# Altium PCB TsinghuaDoor_top.PcbDoc
Units mil, origin at the board's own origin, x right, y up, seen from the top; angles counter-clockwise.
Board outline 7993.02 x 6243.36 mil, 2 copper layers (Top Layer, Bottom Layer); 34 components, 28 nets, 117 pads, 33 vias.
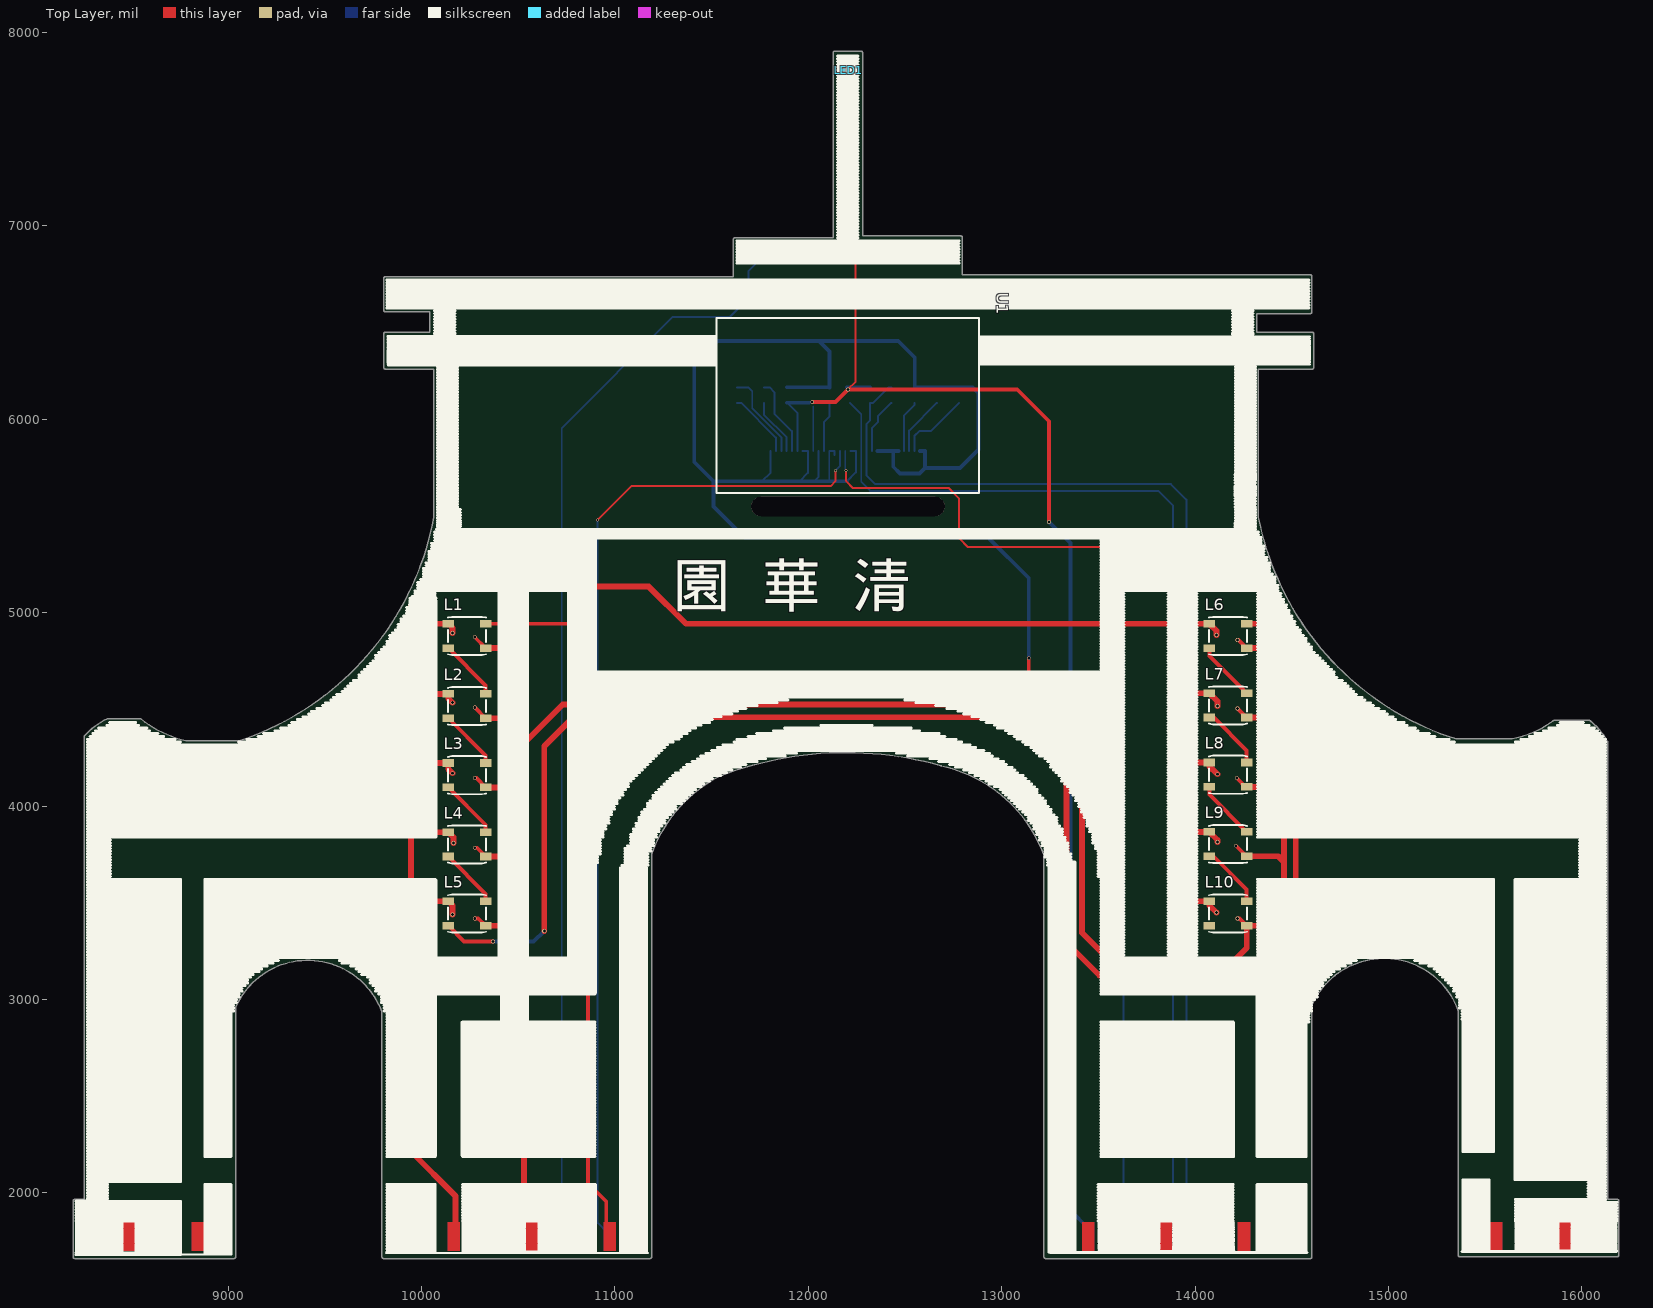
[diagram p0: Top Layer view]
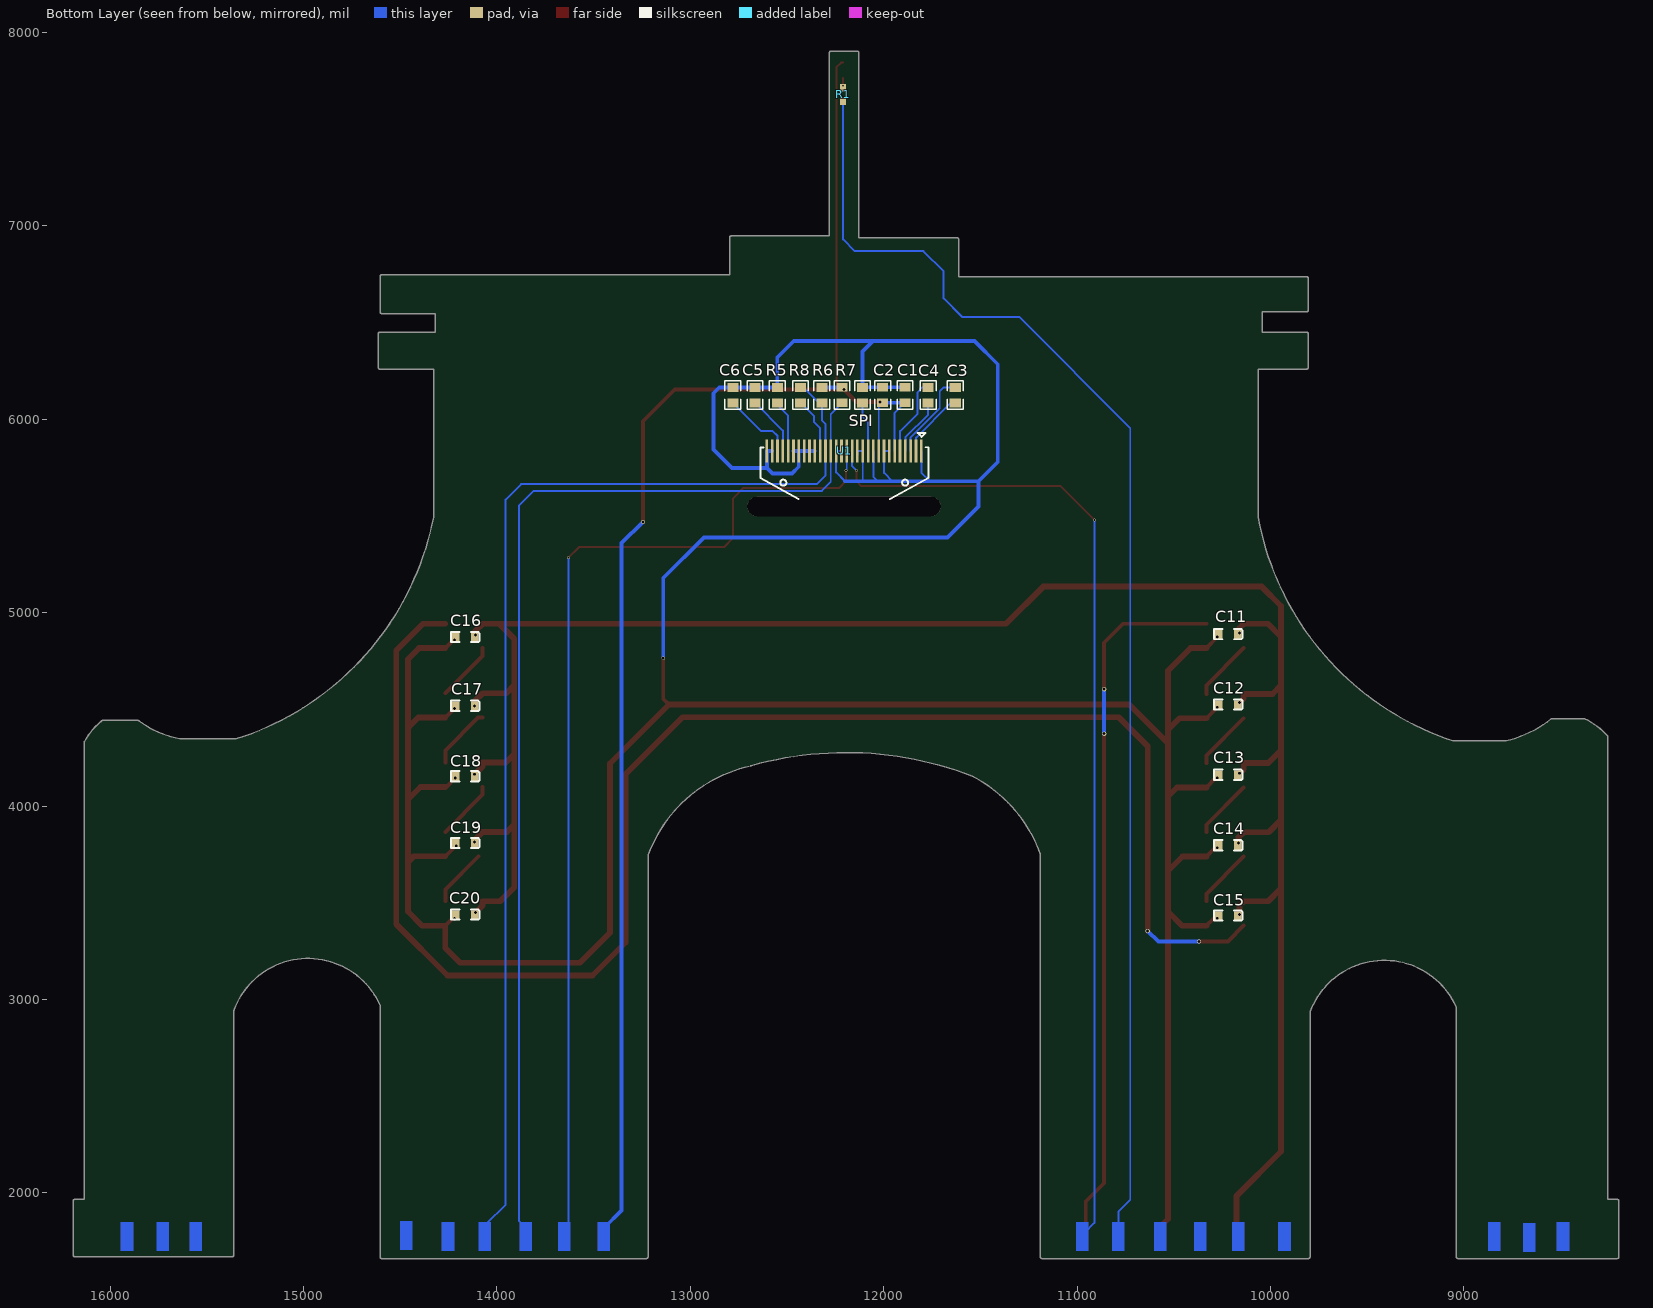
[diagram p1: Bottom Layer view, seen from below]
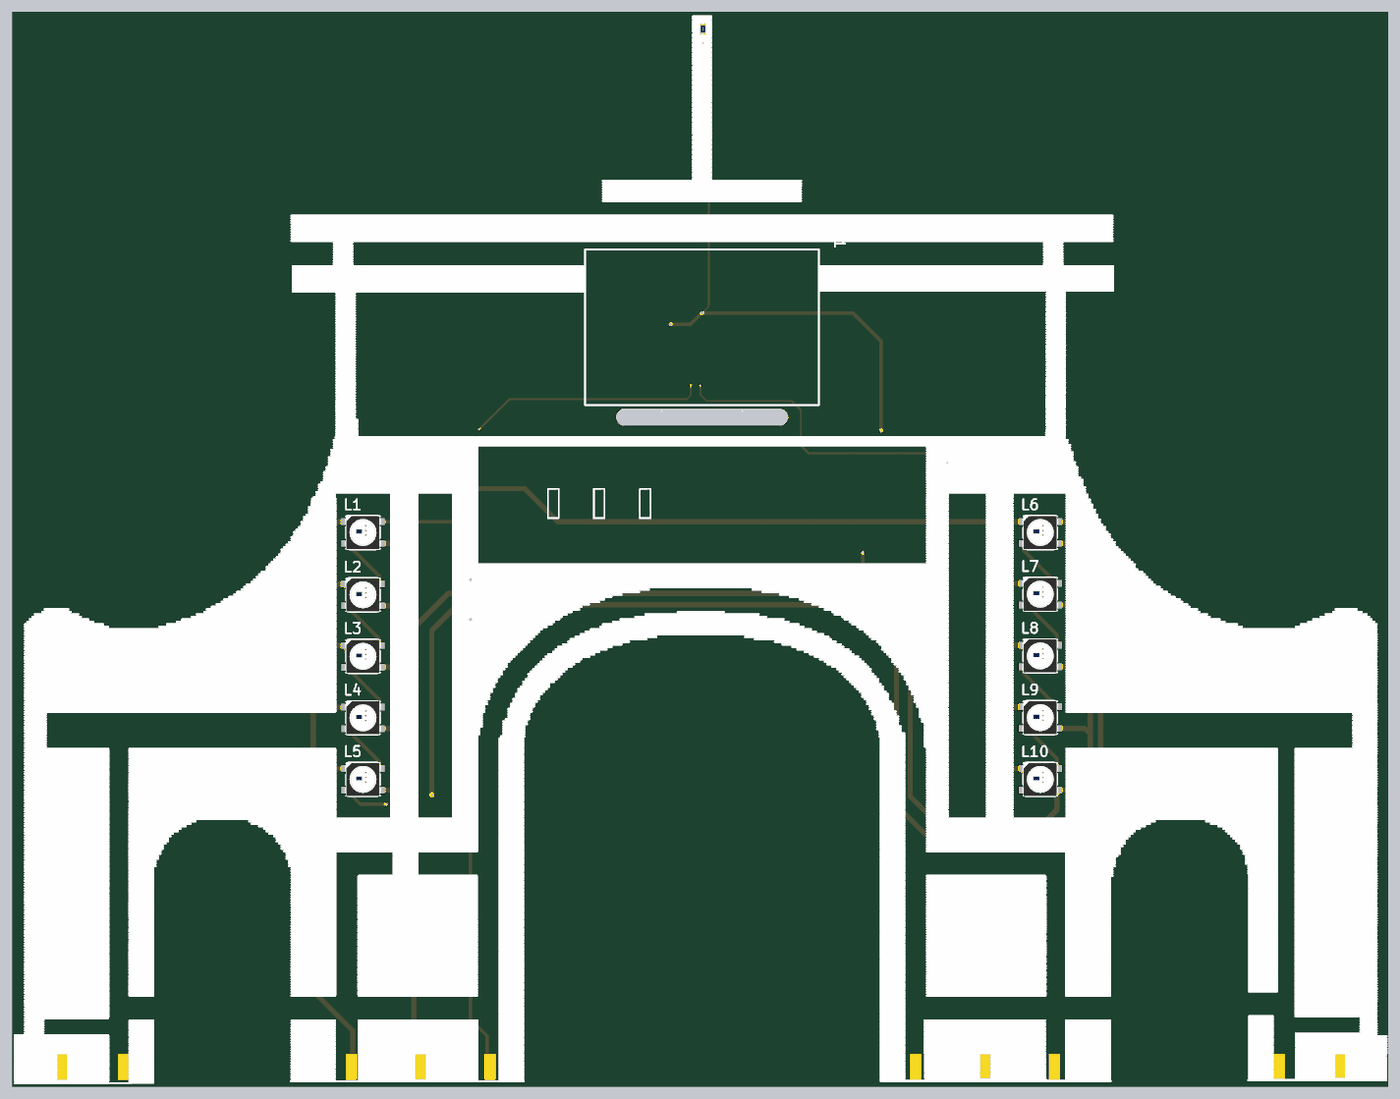
[diagram p2: 3D render of the assembled board from above, using the file's embedded part models]
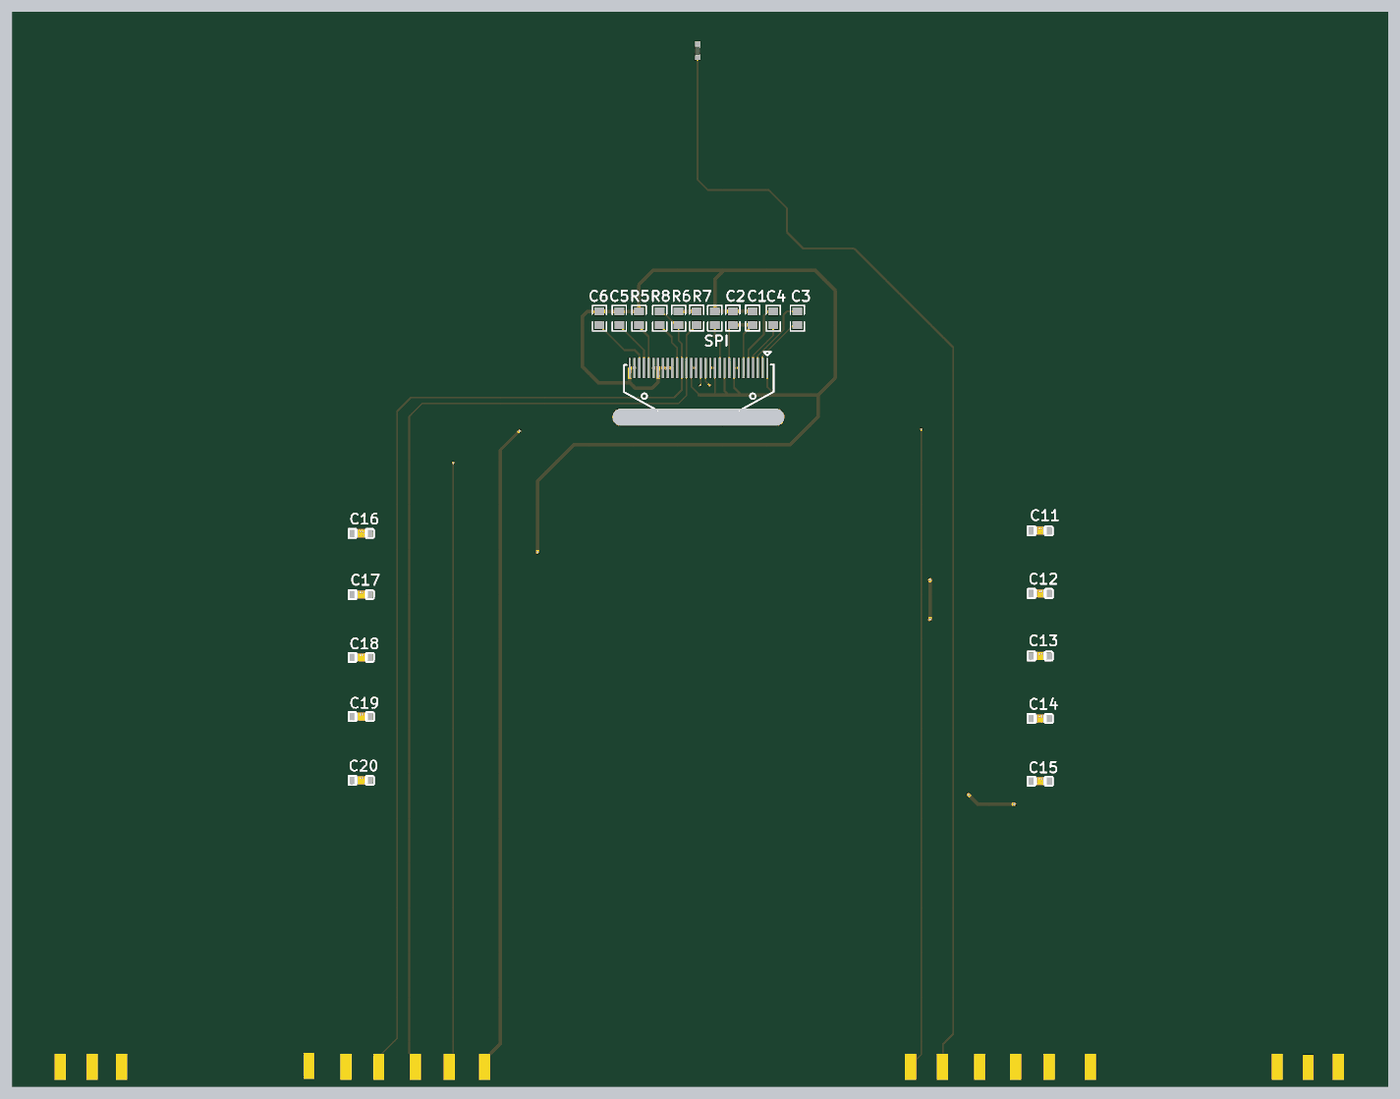
[diagram p3: 3D render of the assembled board from below, using the file's embedded part models]

## Layer stack, top to bottom
Top Layer: signal copper 1.4
Dielectric: dielectric 12.6, FR-4, Dk 4.8
Bottom Layer: signal copper 1.4

## Board outline
8198.29,1670.47 ccw(c8207.87,1670.47) 8207.87,1660.9 9030.11,1660.9 ccw(c9030.11,1670.47) 9039.69,1670.47 9039.69,2961.21 ccw(c9030.11,2961.21) 9039.68,2961.7 cw(c9411.99,2795.24) 9793.98,2938.13 ccw(c9802.95,2941.48) 9794.98,2936.18 9794.98,1670.47 ccw(c9804.55,1670.47) 9804.55,1660.9 11181.34,1660.9 ccw(c11181.34,1670.47) 11190.91,1670.47 11190.91,3753.11 cw(c11879.29,3506.18) 11540.81,4154.46 cw(c12194.8,2473.59) 12684.73,4209.39 ccw(c12690.59,4216.96) 12688.54,4207.61 cw(c12531.97,3493.24) 13217.27,3748.56 ccw(c13226.25,3751.91) 13217.81,3747.37 13217.81,1670.47 ccw(c13227.39,1670.47) 13227.39,1660.9 14594.61,1660.9 ccw(c14594.61,1670.47) 14604.19,1670.47 14604.19,2970.77 ccw(c14594.61,2970.77) 14604.17,2971.26 cw(c14976.49,2804.8) 15358.48,2947.69 ccw(c15367.45,2951.04) 15359.48,2945.74 15359.48,1680.03 ccw(c15369.05,1680.03) 15369.05,1670.46 16181.74,1670.46 ccw(c16181.74,1680.03) 16191.31,1680.03 16191.31,1957.3 ccw(c16181.74,1957.3) 16181.74,1966.88 16133.95,1966.88 16133.95,4328.43 ccw(c16124.37,4328.43) 16131.91,4334.33 ccw(c15808.86,4156.33) 16048.9,4436.38 ccw(c16042.67,4429.11) 16047,4437.65 ccw(c16038.32,4433.6) 16038.32,4443.17 15856.71,4443.17 ccw(c15856.66,4433.6) 15850.92,4441.26 cw(c15541.62,4853.66) 15639.64,4347.56 15349.6,4347.56 ccw(c15349.6,4337.99) 15348.15,4347.45 cw(c15804.21,5781.39) 14327.19,5493.99 14327.19,6259.73 14604.17,6259.73 ccw(c14604.17,6269.31) 14613.75,6269.31 14613.75,6441.41 ccw(c14604.17,6441.41) 14604.17,6450.98 14317.36,6450.98 14317.36,6546.56 14594.61,6546.56 ccw(c14594.61,6556.14) 14604.19,6556.14 14604.19,6737.8 ccw(c14594.61,6737.8) 14594.61,6747.37 12797.16,6747.37 12797.16,6938.58 ccw(c12787.58,6938.58) 12787.58,6948.16 12280.87,6948.16 12280.87,7894.68 ccw(c12271.29,7894.68) 12271.29,7904.25 12137.44,7904.25 ccw(c12137.44,7894.68) 12127.86,7894.68 12127.86,6938.59 11621.14,6938.59 ccw(c11621.14,6929.02) 11611.57,6929.02 11611.57,6737.81 9814.11,6737.81 ccw(c9814.11,6728.24) 9804.54,6728.24 9804.54,6565.7 ccw(c9814.11,6565.7) 9814.11,6556.12 10043.56,6556.12 10043.56,6450.98 9814.11,6450.98 ccw(c9814.11,6441.41) 9804.54,6441.41 9804.54,6269.31 ccw(c9814.11,6269.31) 9814.11,6259.73 10063.65,6259.73 10063.65,5493.62 cw(c8583.84,5766.31) 9057.25,4338 8782.62,4338 cw(c8915.38,4911.65) 8548.95,4450.75 ccw(c8542.99,4443.26) 8541.63,4452.74 8379.96,4452.74 ccw(c8379.96,4443.16) 8375.85,4451.81 cw(c8532.94,4118.09) 8375.89,4451.82 8375.85,4451.81 ccw(c8532.94,4118.09) 8257.81,4363.74 ccw(c8264.95,4357.36) 8255.66,4355.05 8255.66,1966.88 8207.87,1966.88 ccw(c8207.87,1957.3) 8198.29,1957.3

## Design rules (kind name [scope] priority, off if disabled: settings)
Clearance [All] p1: gap=10
PolygonConnect [All] p1: connectstyle=Relief reliefconductorwidth=10 reliefentries=4 polygonreliefangle="90 Angle" airgapwidth=10
RoutingCorners [All] p1: cornerstyle=Round minsetback=100 maxsetback=100
RoutingVias [All] p1: holewidth=28 width=50 viastyle="Through Hole" minholewidth=28 minwidth=50 maxholewidth=28 maxwidth=50
SolderMaskExpansion [All] p1: expansion=4
Width [All] p1: maxlimit=50 minlimit=10 preferedwidth=10 minimp=50.000000 maximp=50.000000 favimp=50.000000
27 further rules are at their usual default settings.

## Components (designator, comment, footprint, x,y, rotation, side; value= is the part's Value field where it differs from the comment)
C1 "1uF" 0805 11890,6125.89 r90 bottom
C2 "1uF" 0805 12005,6125.89 r90 bottom
C3 "1uF" 0805 11630,6125 r90 bottom
C4 "1uF" 0805 11770,6125 r90 bottom
C5 "4.7uF" 0805 12665,6125 r90 bottom
C6 "2.2uF" 0805 12780,6125 r90 bottom
C11 "2电容" 电容-0805 10255,4890 r180 bottom
C12 "2电容" 电容-0805 10255,4526.25 r180 bottom
C13 "2电容" 电容-0805 10255,4162.5 r180 bottom
C14 "2电容" 电容-0805 10255,3798.75 r180 bottom
C15 "2电容" 电容-0805 10255,3435 r180 bottom
C16 "2电容" 电容-0805 14200,4875 r180 bottom
C17 "2电容" 电容-0805 14200,4520 r180 bottom
C18 "2电容" 电容-0805 14200,4155 r180 bottom
C19 "2电容" 电容-0805 14200,3810 r180 bottom
C20 "2电容" 电容-0805 14200,3440 r180 bottom
L1 "WS2812B" WS2812B 10235,4880 r0 top locked
L2 "WS2812B" WS2812B 10235,4517.5 r0 top locked
L3 "WS2812B" WS2812B 10235,4160 r0 top locked
L4 "WS2812B" WS2812B 10235,3802.5 r0 top locked
L5 "WS2812B" WS2812B 10235,3445 r0 top
L6 "WS2812B" WS2812B 14170,4880 r0 top locked
L7 "WS2812B" WS2812B 14170,4521.25 r0 top locked
L8 "WS2812B" WS2812B 14170,4162.5 r0 top locked
L9 "WS2812B" WS2812B 14170,3803.75 r0 top locked
L10 "WS2812B" WS2812B 14170,3445 r0 top locked
LED1 "5LED" led_0603 12210,7855 r270 top locked
R1 "1电阻" 电阻_0603 12210,7630 r90 bottom
R5 "560K" 0805 12550,6125 r90 bottom
R6 "4.7K" 0805 12320,6125 r90 bottom
R7 "4.7K" 0805 12215,6125.89 r90 bottom
R8 "0" 0805 12430,6125 r90 bottom
SPI "1K" 0805 12110,6125 r90 bottom
U1 "1.3OLED" 1.3-OLED-BOTTOM(CHN) 11525,6525 r0 top locked

## Footprints (in the part's own frame and the unit in brackets; to place one, negate y for a bottom-side part, rotate by r counter-clockwise, add the part's x,y. Pads: shape width x height; smd on the part's side, far side on the other; paste and mask are expansions set on the pad)
1.3-OLED-BOTTOM(CHN) [mm]
  rect 0.351x3 smd far side: 1(7.11,-17.492) 2(7.813,-17.49) 3(8.514,-17.49) 4(9.213,-17.49) 5(9.914,-17.49) 6(10.615,-17.49) 7(11.313,-17.49) 8(12.014,-17.49) 9(12.713,-17.49) 10(13.414,-17.49) 11(14.112,-17.49) 12(14.814,-17.49) 13(15.515,-17.49) 14(16.213,-17.49) 15(16.914,-17.49) 16(17.613,-17.49) 17(18.314,-17.49) 18(19.015,-17.49) 19(19.713,-17.49) 20(20.414,-17.49) 21(21.113,-17.49) 22(21.814,-17.49) 23(22.515,-17.49) 24(23.213,-17.49) 25(23.914,-17.49) 26(24.613,-17.49) 27(25.314,-17.49) 28(26.007,-17.49) 29(26.708,-17.487) 30(27.407,-17.487)
  silkscreen extent 0,-23 34.5,0
0805 [mm]
  rect 1.16x1.45 smd: 1(1.016,0) 2(-1.016,0)
  silkscreen extent -1.87,-1.04 1.9,1.03
led_0603 [mm]
  rect 1x0.8 smd: 1(0.254,0) 2(2.286,0)
  body extent 0.42,-0.45 2.12,0.45, height 0.9
WS2812B [mm]
  rect 1.5x1 smd: 1(-2.45,1.6) 2(-2.45,-1.6) 3(2.45,-1.6) 4(2.45,1.6)
  silkscreen extent -2.5,-2.5 2.5,2.5, body extent -2.7,-2.5 2.7,2.5, height 1.54
电容-0805 [mil]
  rect 39.37x47.24 smd: 1(-12,-3) 2(85,-3)
  silkscreen extent -37,-27 110,26, body extent -4,-25 75,25, height 31
电阻_0603 [mm]
  rect 1x0.8 smd: 1(0.381,0) 2(2.159,0)
  body extent 0.51,-0.38 2.03,0.38, height 0.73

## Part data
C5: library part 2.2uF
C11 C12 C13 C14 C15 C16 C17 C18 C19 C20: "Capacitor"
LED1: "Typical INFRARED GaAs LED"
R1: "Resistor"

## Free pads (board coordinates)
  oval 1000x100 hole 100 slot 1000 at 0 deg: 0(12205,5550)

## Via types
v1: diameter 20, hole 15, Top Layer to Bottom Layer, 24 vias
v2: diameter 15, hole 10, Top Layer to Bottom Layer, 5 vias
v3: diameter 22, hole 15, Top Layer to Bottom Layer, 4 vias

## Nets (pads, with @x,y where several pads share a name; then routed paths per layer and width w, separated by ;. In a path a pad name is that pad's centre, name@x,y a point inside that pad or via, vN(x,y) a via of type N, cw(c..) or ccw(c..) an arc to the next point about the centre after c; other vN are vias at no path point)
3V3: C1.2 C2.2 LED1.1 R6.1 R7.1 U1.6 U1.9 | length 8064.8
  Top Layer w10: v1(12205,6155) 12245,6195 12245,7820 12220,7845 LED1.1
  Top Layer w20: v1(12020,6090) 12140,6090 v1(12205,6155) 13080,6155 13245,5990 v1(13245,5470)
  Bottom Layer w10: C1.2 11942.91,6032.98 U1.6 ; U1.9 C2.2@12025.51,6065.38
  Bottom Layer w20: C1.2 C2.2 ; R7.1@12200.89,6165.89 R7.1 R7.1@12234.11,6165.89 ; 12264.11,6165.89 R7.1@12234.11,6165.89 ; R6.1 12235,6165 R7.1@12234.11,6165.89 ; v1(13245,5470) 13355,5360 13355,1910 13445,1820
5V: C11.2 C12.2 C13.2 C14.2 C15.2 C16.2 C17.2 C18.2 C19.2 C20.2 L1.1 L2.1 L3.1 L4.1 L5.1 L6.1 L7.1 L8.1 L9.1 L10.1 | length 11501.3
  Top Layer w30: 9955,4280 10012.01,4222.99 L3.1 10138.54,4191.46 v1(10160,4170) ; v1(10160,3440) 10160,3486.54 L5.1 10012.01,3507.99 9945,3575 ; v1(10160,4535) 10138.54,4556.46 L2.1 9989.51,4580.49 9945,4625 ; v1(10160,4895) 10160,4921.54 L1.1 10012.99,4942.99 9945,4875 ; v1(10165,3810) 10165,3839.04 L4.1 10009.51,3865.49 9945,3930 ; 10175,1785 10175,1985 9945,2215 9945,3575 ; v1(14110,3450) 14073.54,3486.46 L10.1 13982.01,3507.99 13910,3580 13910,3905 ; v1(14110,4885) 14110,4906.54 L6.1 13987.99,4942.99 ; v1(14115,3815) 14115,3825.29 L9.1 13948.26,3866.74 13910,3905 ; v1(14115,4165) 14073.54,4206.46 L8.1 13954.51,4225.49 13910,4270 ; v1(14115,4517) 14115,4542.79 L7.1 13950.76,4584.24 13910,4625 ; 9945,3575 9945,3930 ; 9945,3930 9945,4625 ; 9945,4625 9945,4875 ; 9945,4875 9945,5035 10045,5135 11175,5135 11367.01,4942.99 13987.99,4942.99 ; 13910,3905 13910,4270 ; 13910,4270 13910,4625 ; 13910,4625 13910,4865 13987.99,4942.99
D0: R7.2 U1.18 | length 5837.9
  Bottom Layer w10: R7.2 12273.61,6027.28 U1.18 12273.61,5676.39 12320,5630 13810,5630 13885,5555 13885,1855 13855,1825
D1: R6.2 R8.1 U1.19 | length 6048.7
  Bottom Layer w10: R8.1 12415,6165 12335,6085 R6.2 12320,5995 12301.11,5976.11 U1.19 12301.11,5708.89 12345,5665 13875,5665 13955,5585 13955,1940 14055,1840 14055,1810
DC: U1.15 | length 5316.8
  Top Layer w10: v2(12195,5735) 12195,5680 12230,5645 12725,5645 12780,5590 12780,5385 12825,5340 13575,5340 v2(13630,5285)
  Bottom Layer w10: U1.15 12190.91,5739.09 v2(12195,5735) ; 13630,1845 v2(13630,5285)
DIN: L1.4 | length 3703.5
  Top Layer w20: L1.4 10762.01,4942.99 10860,4845 v3(10860,4605) ; v3(10860,4375) 10860,2050 10955,1955 10955,1750
  Bottom Layer w20: v3(10860,4375) v3(10860,4605)
GND: C1.1 C2.1 C5.1 C6.1 C11.1 C12.1 C13.1 C14.1 C15.1 C16.1 C17.1 C18.1 C19.1 C20.1 L1.3 L2.3 L3.3 L4.3 L5.3 L6.3 L7.3 L8.3 L9.3 L10.3 R5.1 SPI.1 U1.1 U1.7 U1.8 U1.10 U1.12 U1.13 U1.16 U1.17 U1.21 U1.22 U1.23 U1.24 U1.25 U1.29 U1.30 | length 20360.3
  Top Layer w20: v1(10275,3420) 10293.46,3420 L5.3 ; v1(10275,3785) 10285.96,3785 L4.3 ; v1(10275,4145) 10283.46,4145 L3.3 ; v1(10275,4510) 10275.96,4510 L2.3 ; v1(10275,4875) 10275,4873.46 L1.3 ; 13110,4525 13140,4555 v1(13140,4765) ; v1(14210,3795) 14212.21,3795 L9.3 ; v1(14215,4145) 14260.49,4099.51 L8.3 ; v1(14220,3420) 14228.46,3420 L10.3 ; v1(14220,4505) 14220,4504.71 L7.3 ; v1(14220,4860) 14223.46,4860 L6.3
  Top Layer w30: L5.3 10457.01,3382.01 10530,3455 ; L4.3 10455.49,3739.51 10530,3665 ; L3.3 10482.99,4097.01 10530,4050 ; L2.3 10470.49,4454.51 10530,4395 ; L1.3 10412.99,4817.01 10530,4700 10530,4395 ; 10575,1820 10530,1865 10530,3455 ; L9.3 14429.24,3740.76 14460,3710 ; L8.3 14394.51,4099.51 14460,4034.02 ; L7.3 14406.74,4458.26 14455,4410 ; L6.3 14402.99,4817.01 14460,4760 14460,4034.02 ; 10530,3455 10530,3665 ; 10530,3665 10530,4050 ; 10530,4050 10530,4325 ; 10530,4325 10730,4525 13110,4525 13415,4220 13415,3345 13570,3190 14190,3190 14266.46,3266.46 L10.3 14387.01,3382.01 14460,3455 14460,3710 ; 10530,4325 10530,4395 ; 14460,3710 14460,4034.02
  Bottom Layer w10: 11760,5680 11804.91,5724.91 U1.1 ; 11955,5680 11998.01,5723.01 U1.8 U1.7 ; 12030,5680 12053.11,5703.11 U1.10 ; 12108.21,5681.79 U1.12 U1.13 U1.13@12135.81,5815.81 ; 12200,5680 12246.01,5726.01 U1.17 U1.16
  Bottom Layer w20: C1.1 C2.1 12109.11,6165.89 SPI.1 12110,6350 12055,6405 ; 12200,5680 12030,5680 11955,5680 11760,5680 11510,5680 ; U1.21 U1.22 U1.23 U1.24 ; U1.25 U1.24 ; U1.29 U1.30 12604.01,5749.01 ; v1(13140,4765) 13140,5180 12930,5390 11670,5390 11510,5550 11510,5680 ; 11510,5680 11410,5780 11410,6285 11530,6405 12055,6405 ; 12055,6405 12465,6405 12550,6320 R5.1 C5.1 C6.1 12850,6165 12880,6135 12880,5845 12784.01,5749.01 12604.01,5749.01 ; U1.24 12438.91,5755 12473.91,5720 12575,5720 12604.01,5749.01
LED1: R1.1 | length 6920.7
  Bottom Layer w10: 10785,1745 10785,1905 10725,1965 10725,5955 11300,6530 11595,6530 11690,6625 11690,6765 11795,6870 12150,6870 12210,6930 R1.1
NetC3_1: C3.1 U1.3 | length 459.1
  Bottom Layer w10: C3.1 11690,6165 11710,6145 11710,6056.72 11860.21,5906.51 U1.3
NetC3_2: C3.2 U1.2 | length 346.2
  Bottom Layer w10: C3.2 11653.43,6085 11832.61,5905.82 U1.2
NetC4_1: C4.1 U1.5 | length 406.3
  Bottom Layer w10: C4.1 11800,6165 11825,6140 11825,6030 11915.31,5939.69 U1.5
NetC4_2: C4.2 U1.4 | length 297.3
  Bottom Layer w10: C4.2 11770,6025 11887.71,5907.29 U1.4
NetC5_2: C5.2 U1.27 | length 308
  Bottom Layer w10: U1.27 12521.61,5941.61 C5.2
NetC6_2: C6.2 U1.28 | length 379.4
  Bottom Layer w10: U1.28 12548.91,5913.91 12575,5940 12635,5940 C6.2
NetL1_2: L1.2 L2.4 | length 316.4
  Top Layer w20: L1.2 10331.46,4624.1 L2.4
NetL2_2: L2.2 L3.4 | length 311.4
  Top Layer w20: L2.2 10331.46,4261.6 L3.4
NetL3_2: L3.2 L4.4 | length 311.4
  Top Layer w20: L3.2 10331.46,3904.1 L4.4
NetL4_2: L4.2 L5.4 | length 311.4
  Top Layer w20: L4.2 10331.46,3546.6 L5.4
NetL5_2: L5.2 L6.4 | length 8353.4
  Top Layer w20: L5.2 10220.55,3300 v3(10370,3300)
  Top Layer w30: v3(10635,3355) 10635,4310 10785,4460 13040,4460 13335,4165 13335,3295 13505,3125 14255,3125 14520,3390 14520,4805 14382.01,4942.99 L6.4
  Bottom Layer w20: v3(10370,3300) 10580,3300 v3(10635,3355)
NetL6_2: L6.2 L7.4 | length 312.7
  Top Layer w20: L6.2 14073.54,4777.15 L7.4
NetL7_2: L7.2 L8.4 | length 326.3
  Top Layer w20: L7.2 14096.74,4458.26 14266.46,4288.54 L8.4
NetL8_2: L8.2 L9.4 | length 312.7
  Top Layer w20: L8.2 14073.54,4059.65 L9.4
NetL9_2: L9.2 L10.4 | length 304.1
  Top Layer w20: L9.2@14094.24,3740.76 14266.46,3568.54 L10.4
NetLED1_2: LED1.2 R1.2 | length 40
  Top Layer w10: v2(12210,7725) LED1.2
NetR5_2: R5.2 U1.26 | length 271.8
  Bottom Layer w10: U1.26 12494.01,6019.01 12550,6075 R5.2
NetR8_2: R8.2 U1.20 | length 290.5
  Bottom Layer w10: U1.20 12328.71,5953.71 12360,5985 12360,6015 R8.2
NetSPI_2: SPI.2 U1.11 | length 260.7
  Bottom Layer w10: U1.11 12080.61,5985.61 12110,6015 SPI.2
RES: U1.14 | length 5184.6
  Top Layer w10: v2(10910,5480) 11085,5655 12115,5655 12140,5680 v2(12140,5735)
  Bottom Layer w10: v2(10910,5480) 10910,1845 10960,1795 ; v2(12140,5735) 12163.31,5758.31 U1.14
pads on no net: L10.2

## Other copper
Top Layer:
  rectangle: 13415,1700 13480,1850
  rectangle: 14220,1700 14285,1850
  rectangle: 15525,1700 15590,1850
  rectangle: 13817.5,1700 13882.5,1850
  rectangle: 15880,1700 15945,1850
  rectangle: 8810,1700 8875,1850
  rectangle net DIN: 10940,1700 11005,1850
  rectangle net GND: 10537.5,1700 10602.5,1850
  rectangle: 8455,1700 8520,1850
  rectangle net 5V: 10135,1700 10200,1850
Bottom Layer:
  rectangle: 15880,1700 15945,1850
  rectangle: 15525,1700 15590,1850
  rectangle: 14220,1700 14285,1850
  rectangle net D0: 13817.5,1700 13882.5,1850
  rectangle net 3V3: 13415,1700 13480,1850
  rectangle net RES: 10940,1700 11005,1850
  rectangle: 10537.5,1700 10602.5,1850
  rectangle: 10135,1700 10200,1850
  rectangle: 8810,1700 8875,1850
  rectangle: 8455,1700 8520,1850
  rectangle: 15695,1700 15760,1850
  rectangle: 14435,1705 14500,1855
  rectangle net D1: 14030,1700 14095,1850
  rectangle net DC: 13620,1700 13685,1850
  rectangle net LED1: 10755,1700 10820,1850
  rectangle: 10330,1700 10395,1850
  rectangle: 9895,1700 9960,1850
  rectangle: 8630,1695 8695,1845

## Silkscreen, mask and mechanical layers (free items; w line width, h text height)
Top Overlay:
  drawing of 14599 lines, arcs and shapes, not listed
  text "園  華  清" at 11296.07,4959.45 h382.44
Top Solder:
  rectangle: 10135,1700 10200,1850
  rectangle: 15525,1700 15590,1850
  rectangle: 10940,1700 11005,1850
  rectangle: 14220,1700 14285,1850
  rectangle: 13415,1700 13480,1850
  rectangle: 8810,1700 8875,1850
  rectangle: 10537.5,1700 10602.5,1850
  rectangle: 13817.5,1700 13882.5,1850
  rectangle: 15880,1700 15945,1850
  rectangle: 8455,1700 8520,1850
Bottom Solder:
  rectangle: 15880,1700 15945,1850
  rectangle: 15525,1700 15590,1850
  rectangle: 14220,1700 14285,1850
  rectangle: 13817.5,1700 13882.5,1850
  rectangle: 13415,1700 13480,1850
  rectangle: 10940,1700 11005,1850
  rectangle: 10537.5,1700 10602.5,1850
  rectangle: 10135,1700 10200,1850
  rectangle: 8810,1700 8875,1850
  rectangle: 8455,1700 8520,1850
  rectangle: 15695,1700 15760,1850
  rectangle: 14435,1705 14500,1855
  rectangle: 14030,1700 14095,1850
  rectangle: 13620,1700 13685,1850
  rectangle: 10755,1700 10820,1850
  rectangle: 10330,1700 10395,1850
  rectangle: 9895,1700 9960,1850
  rectangle: 8630,1700 8695,1850
Mechanical 1:
  lines w10: 11765,5515 cw(c11765,5555) 11765,5595 12645,5595 cw(c12645,5555) 12645,5515 11765,5515 ; 15369.05,1680.03 15369.05,1689.59 15369.05,1680.03
  lines w19.12: 8264.95,4357.37 cw(c8532.94,4118.09) 8379.96,4443.16 8542.99,4443.16 ; 8265.23,4357.36 8265.23,1957.3 8207.87,1957.3 8207.87,1670.47 9030.11,1670.47 9030.11,2961.21 ; 8542.99,4443.26 ccw(c8915.38,4911.65) 8781.53,4328.43 ; 8752.84,4328.43 9058.8,4328.43 ccw(c8583.84,5766.31) 10073.22,5492.75 10073.22,6270.27 10072.26,6269.31 9814.11,6269.31 9814.11,6441.41 10053.14,6441.41 10053.14,6565.7 9814.11,6565.7 9814.11,6728.24 11621.14,6728.24 11621.14,6929.02 12137.44,6929.02 12137.44,7894.68 12271.29,7894.68 12271.29,6938.58 12787.58,6938.58 12787.58,6737.8 14594.61,6737.8 14594.61,6556.14 14298.22,6556.14 14307.78,6546.58 14307.78,6441.41 14604.17,6441.41 14604.17,6269.31 14317.62,6269.31 14317.62,5493.07 ccw(c15804.21,5781.39) 15349.6,4336.95 ; 9029.17,2961.61 cw(c9411.99,2795.24) 9802.95,2941.48 ; 9804.55,2942.08 9804.55,1670.47 11181.34,1670.47 11181.34,3754.77 ; 11179.51,3749.58 cw(c11879.29,3506.18) 11536.57,4163.05 ; 11523.03,4157.75 cw(c12194.8,2473.59) 12690.78,4217.63 ; 12690.59,4216.96 cw(c12531.97,3493.24) 13226.25,3751.91 ; 13227.39,3751.91 13227.39,1670.47 14594.61,1670.47 14594.61,2970.77 ; 14593.67,2971.17 cw(c14976.49,2804.8) 15367.45,2951.04 ; 15349.6,4337.99 15655.88,4337.99 ; 15369.05,2951.64 15369.05,1680.03 16181.74,1680.03 16181.74,1957.3 16124.37,1957.3 ; 15637.23,4337.36 ccw(c15541.62,4853.66) 15856.66,4433.6 15885.35,4433.6 16038.32,4433.6 ; 16042.67,4429.11 cw(c15808.86,4156.33) 16124.26,4328.37 ; 16124.37,1947.74 16124.37,4328.43

## Text inside footprints (layer, text, board x,y; h text height)
U1: Mechanical 15 "PANEL" at 11548.6,6469.45 h31.5; Mechanical 15 "ACTIVE AREA" at 11651.1,6381.25 h31.5